# Allegro board BRD_05101_01_rev_b01_aa.brd (continued)
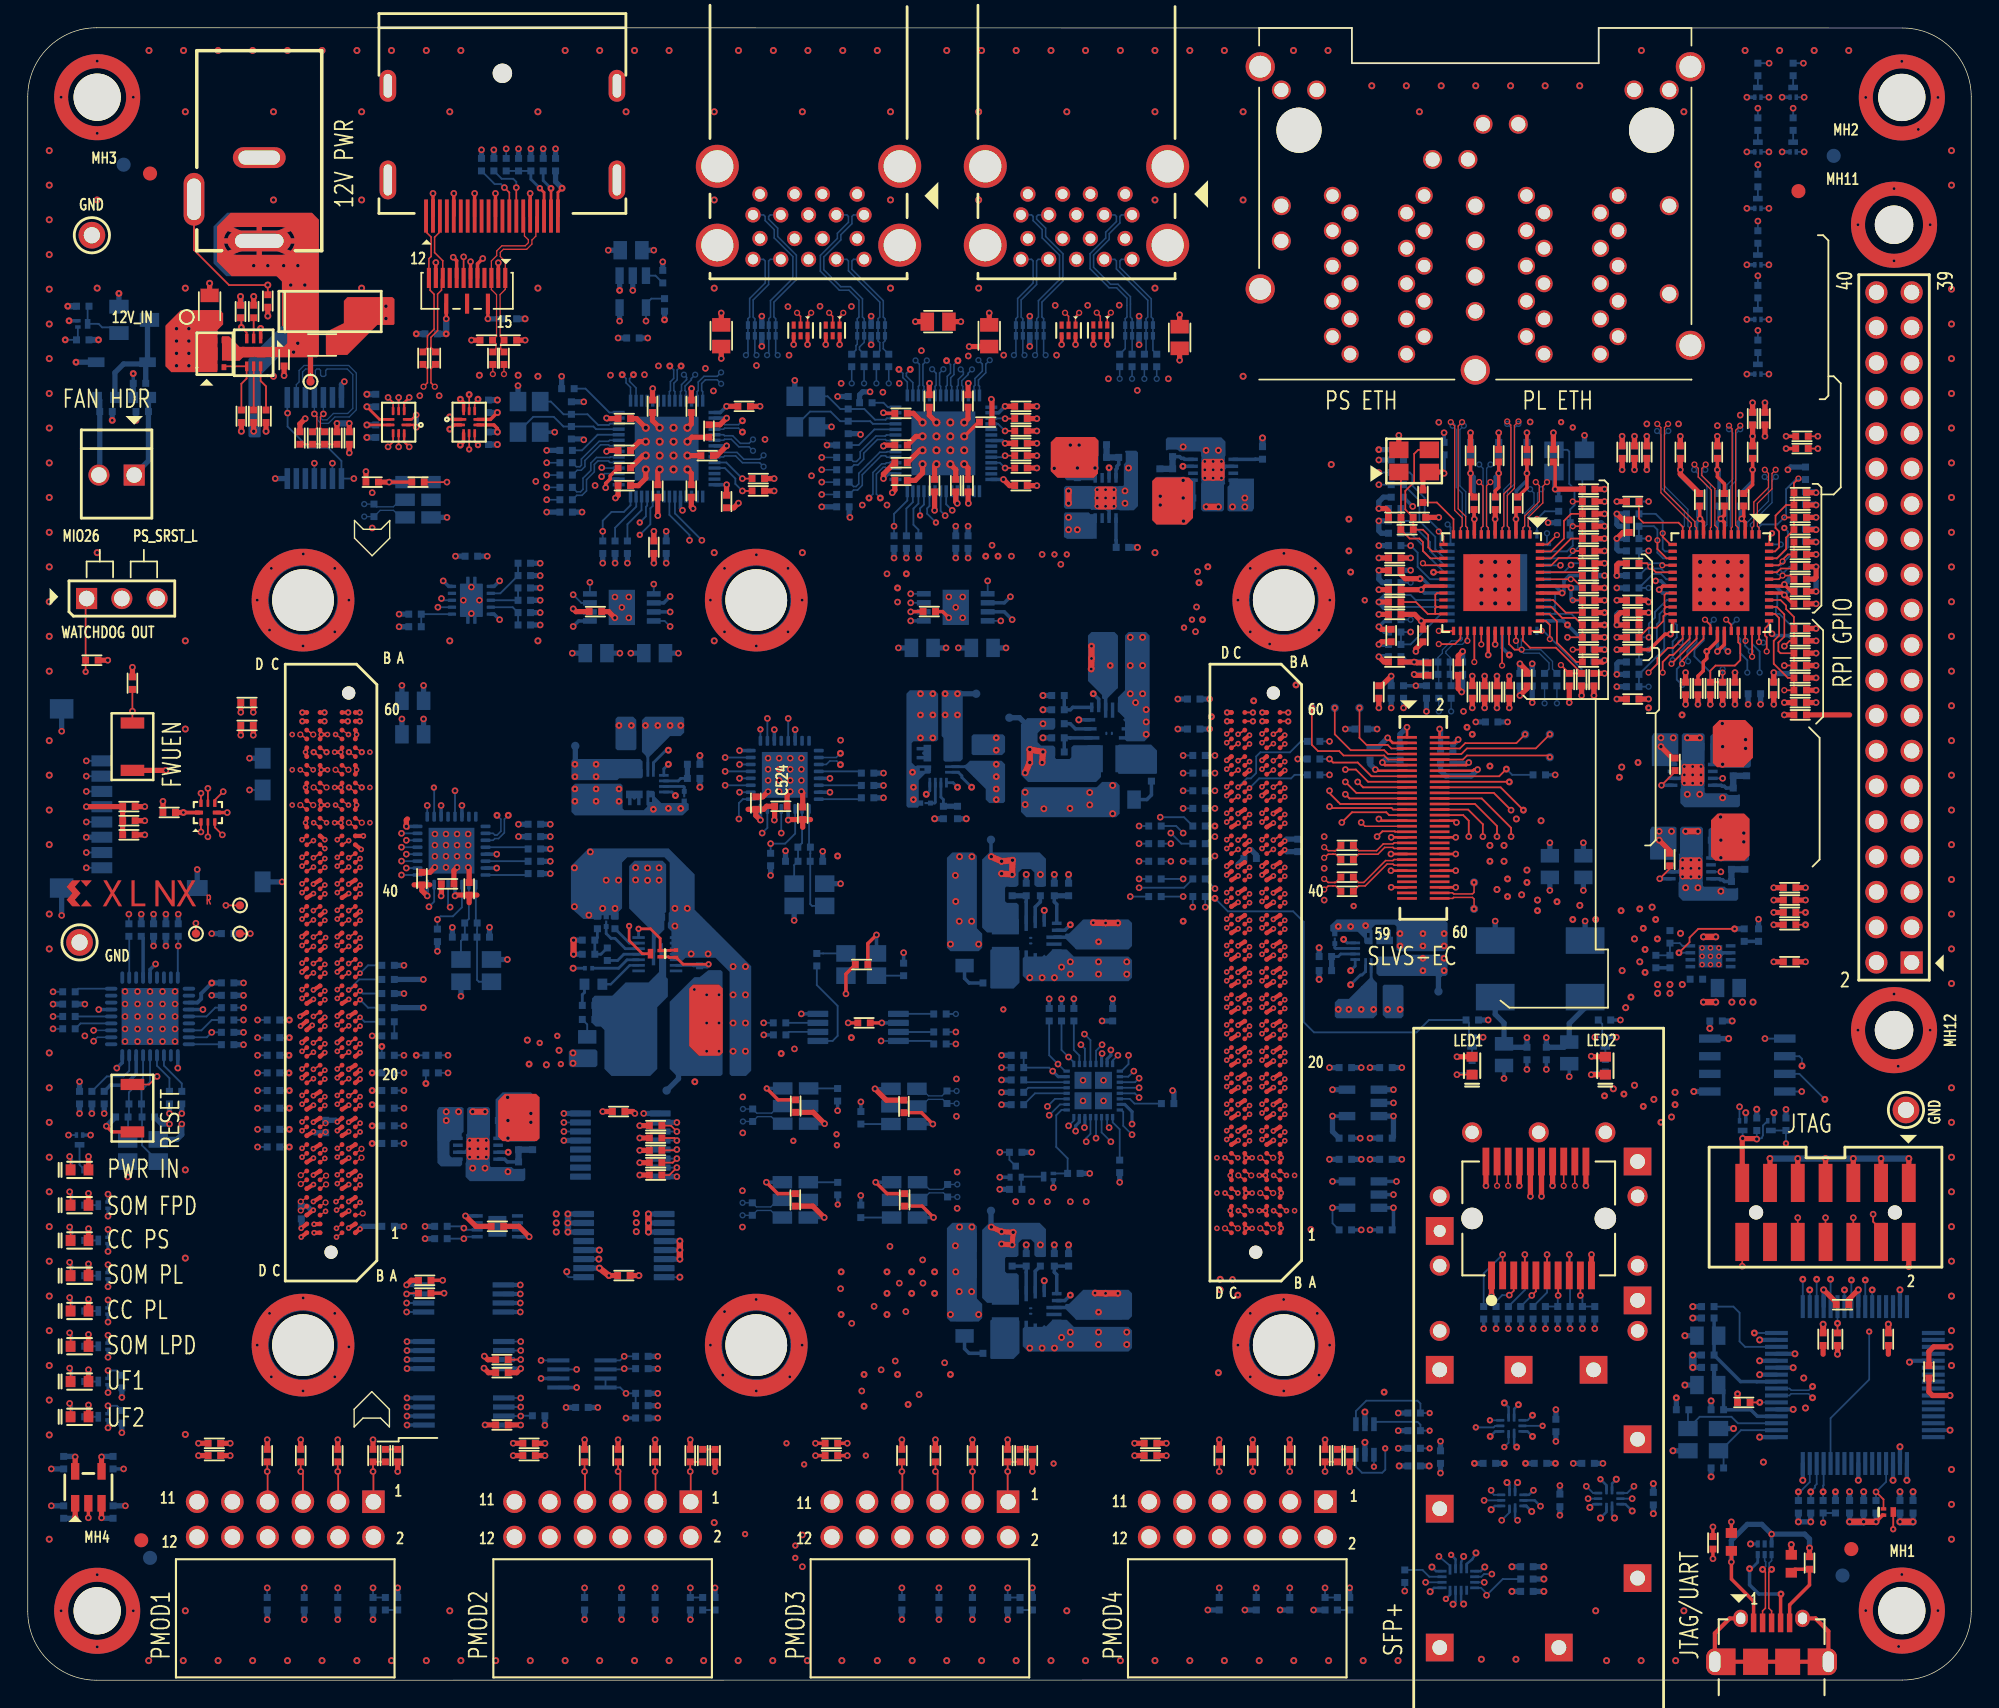
[diagram p0: board, top side]
## Routing (per net, layer and track width the routed paths; a pad name or vN(x,y) marks a point on that pad's centre or on a via; arc(x,y) is an arc through that point) (continued)
  BOTTOM w0.132: R281.2 v5(27.1,45) ; C378.1 v5(19.92,6.65)
PMOD1_IO8_HDA18: length 71.2
  L05_SIG w0.102: v5(16.56,47.54) 16.13,47.11 14.98,47.11 12.75,44.88 12.75,26.7 12.65,26.6 11.35,26.6 11.17,26.42 11.17,26.17 11.35,25.99 12.7,25.99 12.87,25.81 12.87,25.56 12.7,25.38 11.35,25.38 11.17,25.2 11.17,24.95 11.35,24.77 12.7,24.77 12.87,24.59 12.87,24.34 12.7,24.16 11.35,24.16 11.17,23.98 11.17,23.73 11.35,23.55 12.7,23.55 12.87,23.37 12.87,23.12 12.7,22.94 11.35,22.94 11.17,22.76 11.17,22.51 11.35,22.33 12.7,22.33 12.87,22.15 12.87,21.9 12.7,21.72 11.35,21.72 11.17,21.54 11.17,21.29 11.35,21.11 12.7,21.11 12.87,20.94 12.87,20.68 12.7,20.5 11.35,20.5 11.17,20.33 11.17,20.07 11.35,19.89 12.7,19.89 12.87,19.72 12.87,19.46 12.7,19.28 11.22,19.28 11.05,19.11 11.05,18.85 11.22,18.68 12.7,18.68 12.87,18.5 12.87,16.68 15.92,13.64 15.92,7.98 v5(17.25,6.65) 17.25,10.38 J2.8
  BOTTOM w0.132: R283.2 v5(16.56,47.54) ; C380.1 v5(17.25,6.65)
PMOD2_IO1_HDA02: length 73.4
  TOP w0.132: R296.2 C390.1 v5(47.72,15.03) 47.76,14.99 J18.1
  L12_SIG w0.102: v5(47.72,15.03) 48.94,13.81 48.94,6.78 44.75,2.59 36.37,2.59 26.08,12.87 26.08,15.16 23.8,17.45 23.8,25.45 15.92,33.32 15.92,39.04 v5(16.56,39.67)
  BOTTOM w0.132: R298.2 v5(16.56,39.67)
PMOD2_IO2_HDA03: length 78.4
  TOP w0.132: C392.1 v5(45.19,15.03) 45.22,15 J18.3
  L12_SIG w0.102: v5(45.19,15.03) 45.96,15.79 55.6,15.79 55.8,16 55.8,18.23 55.6,18.44 48.9,18.44 48.7,18.64 48.7,21.74 48.49,21.94 48.16,21.94 47.96,21.74 47.96,18.64 47.76,18.44 47.43,18.44 47.22,18.64 47.22,21.74 47.02,21.94 46.69,21.94 46.49,21.74 46.49,18.66 46.26,18.44 41.47,18.44 39.14,20.77 33.16,20.77 32.08,21.85 32.08,26.24 32.26,26.42 32.6,26.42 32.78,26.6 32.78,26.85 32.6,27.03 32.26,27.03 32.08,27.21 32.08,34.44 31.42,35.1 31.42,39.42 31.03,39.8 27.23,39.8 v5(27.1,39.92)
  BOTTOM w0.132: R300.2 v5(27.1,39.92)
PMOD2_IO3_HDA04: length 72.9
  TOP w0.132: C394.1 v5(42.52,15.03) 42.68,14.88 J18.5
  L12_SIG w0.102: v5(42.52,15.03) 41.82,15.03 41.71,15.13 41.71,16.33 41.82,16.43 54.96,16.43 55.16,16.63 55.16,17.62 54.96,17.83 41.19,17.83 40.68,18.34 38.63,18.34 38.07,17.78 34.73,17.78 33.54,18.97 33.54,19.23 33.81,19.5 33.81,19.76 33.64,19.93 33.38,19.93 33.11,19.66 32.85,19.66 31.29,21.22 31.29,31.29 30.78,31.8 30.78,38.96 30.45,39.29 26.72,39.29 26.34,39.67 26.34,41.7 v5(27.1,42.46)
  BOTTOM w0.132: R302.2 v5(27.1,42.46)
PMOD2_IO4_HDA05: length 67.3
  TOP w0.132: C398.1 v5(40.11,15.03) 40.11,14.93 40.14,14.91 J18.7
  L12_SIG w0.102: v5(30.27,43.73) 29.02,42.48 28.1,42.48 27.65,42.93 26.67,42.93 25.83,42.08 25.83,32.05 29.26,28.62 29.26,17.27 29.46,17.06 30.63,17.06 31.33,16.36 31.33,12.44 31.53,12.24 31.86,12.24 32.07,12.44 32.07,16.81 32.27,17.01 32.6,17.01 32.8,16.81 32.8,12.44 33.01,12.24 33.34,12.24 33.54,12.44 33.54,15.34 33.74,15.54 34.53,15.54 34.73,15.34 34.73,14.27 34.94,14.07 35.27,14.07 35.47,14.27 35.47,15.34 35.67,15.54 36,15.54 36.21,15.34 36.21,14.19 36.41,13.99 36.74,13.99 36.94,14.19 36.94,14.83 37.15,15.03 v5(40.11,15.03)
  BOTTOM w0.132: R304.2 v5(30.27,43.73)
PMOD2_IO5_HDA06: length 69.4
  L12_SIG w0.102: J18.2 47.76,6.68 v5(47.73,6.65) 46.33,5.25 44.75,5.25 44.5,5 44.5,3.42 44.29,3.22 38.35,3.22 38.17,3.4 38.17,3.73 37.99,3.9 37.74,3.9 37.56,3.73 37.56,3.4 37.38,3.22 36.75,3.22 27.07,12.91 27.07,17.73 26.85,17.95 24.51,17.95 24.3,18.16 24.3,18.5 24.51,18.7 26.46,18.7 26.7,18.95 26.7,19.28 26.54,19.44 24.63,19.44 24.43,19.64 24.43,25.7 16.56,33.58 v5(16.56,38.4)
  BOTTOM w0.132: v5(47.73,6.65) C391.1 R297.2 ; R299.2 v5(16.56,38.4)
PMOD2_IO6_HDA07: length 80.8
  L12_SIG w0.102: J18.4 45.22,6.68 v5(45.19,6.65) 43.62,5.08 36.03,5.08 27.78,13.34 27.78,21.34 25.19,23.92 25.19,25.89 24.68,26.41 24.68,26.7 26.77,28.79 26.77,29.08 26.54,29.31 26.25,29.31 24.16,27.22 23.87,27.22 23.64,27.45 23.64,27.74 25.73,29.83 25.73,30.12 25.5,30.35 25.21,30.35 23.12,28.26 22.83,28.26 22.6,28.49 22.6,28.78 24.69,30.87 24.69,31.16 24.45,31.39 24.17,31.39 22.08,29.3 21.79,29.3 17.57,33.51 17.57,39.42 16.05,40.94 16.05,43.23 v5(16.56,43.73)
  BOTTOM w0.132: R301.2 v5(16.56,43.73) ; C393.1 v5(45.19,6.65)
PMOD2_IO7_HDA08_CC: length 75.6
  L12_SIG w0.102: v5(16.56,41.19) 18.33,39.41 18.33,34.84 19.86,33.32 23.67,33.32 28.49,28.49 28.49,16.55 28.7,16.35 30.45,16.35 30.65,16.14 30.65,15.8 30.45,15.6 28.83,15.6 28.62,15.39 28.62,15.06 28.83,14.86 30.45,14.86 30.65,14.66 30.65,14.33 30.45,14.12 28.95,14.12 28.75,13.92 28.75,13.59 28.95,13.39 30.45,13.39 30.65,13.18 30.65,11.86 33.96,8.56 35.98,8.56 36.18,8.35 36.18,6.35 36.39,6.14 36.72,6.14 36.92,6.35 36.92,8.35 37.12,8.56 37.45,8.56 37.66,8.35 37.66,6.35 37.86,6.14 38.19,6.14 38.39,6.35 38.39,8.35 38.6,8.56 38.93,8.56 39.13,8.35 39.13,5.97 39.33,5.76 41.89,5.76 v5(42.78,6.65) 42.78,10.31 J18.6
  BOTTOM w0.132: C395.1 v5(42.78,6.65) ; R303.2 v5(16.56,41.19)
PMOD2_IO8_HDA09: length 78.6
  L12_SIG w0.102: v5(27.1,38.65) 29.94,38.65 30.15,38.45 30.15,38.06 29.94,37.86 26.67,37.86 26.46,37.66 26.46,37.33 26.67,37.12 29.94,37.12 30.15,36.92 30.15,36.59 29.94,36.39 26.67,36.39 26.46,36.18 26.46,35.85 26.67,35.65 29.94,35.65 30.15,35.45 30.15,35.12 29.94,34.91 26.67,34.91 26.46,34.71 26.46,34.38 26.67,34.18 29.92,34.18 30.13,33.97 30.13,33.63 29.92,33.42 26.79,33.42 26.51,33.14 26.51,32.25 27.48,31.29 30.15,31.29 30.53,30.91 30.53,19.92 33.83,16.61 37.76,16.61 38.94,17.8 40.33,17.8 40.81,17.32 40.81,14.65 41.45,14.02 41.45,6.75 41.35,6.65 v5(40.11,6.65) 40.11,10.38 J18.8
  BOTTOM w0.132: C399.1 v5(40.11,6.65) ; R305.2 v5(27.1,38.65)
PMOD3_IO1_HDB00_CC: length 93
  TOP w0.132: J19.1 70.59,12.98 v5(70.59,15.03) C402.1 R306.2
  L10_SIG w0.102: v5(70.59,15.03) 70.59,15.99 66.98,19.6 66.98,27.1 66.39,27.68 66.39,36.75 66.47,36.83 66.47,43.94 67.2,44.67 68.29,44.67 69.03,45.42 74.77,45.42 75.61,46.26 75.61,47.5 75.51,47.6 69.33,47.6 69.13,47.8 69.13,48.18 70.53,49.58 82.37,49.58 82.47,49.68 82.47,50.17 82.27,50.37 80.77,50.37 80.56,50.58 80.56,50.91 80.77,51.11 82.27,51.11 82.47,51.31 82.47,51.64 82.27,51.85 80.77,51.85 80.56,52.05 80.56,52.38 80.77,52.58 82.27,52.58 82.47,52.79 82.47,53.12 82.27,53.32 80.77,53.32 80.56,53.52 80.56,53.85 80.77,54.06 82.27,54.06 82.47,54.26 82.47,54.59 82.27,54.79 80.77,54.79 80.56,55 80.56,55.33 80.77,55.53 82.27,55.53 82.47,55.73 82.47,56.88 81.27,58.09 81.27,60.14 81.17,60.24 v5(80.06,60.24)
  BOTTOM w0.132: R308.2 v5(80.06,60.24)
PMOD3_IO2_HDB01: length 97.2
  TOP w0.132: C406.1 v5(68.05,15.03) 68.08,15 J19.3
  L10_SIG w0.102: v5(68.05,15.03) 68.05,16.24 65.58,18.72 65.58,27.1 65.81,27.33 65.81,35 65.45,35.35 65.45,36.79 65.87,37.21 65.87,41.24 65.57,41.54 65.57,41.85 65.87,42.15 65.87,42.46 65.57,42.76 65.57,43.07 65.87,43.36 65.87,44.39 66.7,45.22 67.84,45.22 69.01,46.39 74.83,46.39 74.98,46.53 74.98,46.91 74.85,47.04 67.1,47.04 66.98,47.16 66.98,47.67 70.4,51.1 71.16,51.1 71.36,51.3 71.36,52.27 71.57,52.48 71.9,52.48 72.1,52.27 72.1,51.3 72.3,51.1 72.63,51.1 72.84,51.3 72.84,52.55 73.04,52.75 73.37,52.75 73.57,52.55 73.57,51.3 73.78,51.1 74.09,51.1 74.98,50.21 75.61,50.21 75.81,50.41 75.81,53.95 76.01,54.15 76.34,54.15 76.55,53.95 76.55,50.41 76.75,50.21 77.5,50.21 77.71,50.41 77.71,53.69 77.91,53.89 78.24,53.89 78.44,53.69 78.44,50.63 78.65,50.43 79.42,50.43 79.8,50.81 79.8,54.53 78.41,55.93 78.41,57.07 79.17,57.83 79.17,58.09 v5(80.06,58.97)
  BOTTOM w0.132: R310.2 v5(80.06,58.97)
PMOD3_IO3_HDB02: length 96.9
  TOP w0.132: C408.1 v5(65.38,15.03) 65.54,14.88 J19.5
  L10_SIG w0.102: v5(65.38,15.03) 65.38,15.69 65.49,15.79 66.75,15.79 66.98,16.02 66.98,16.33 66.75,16.56 65.02,16.56 64.92,16.66 64.92,29.58 64.65,29.85 64.26,29.85 64.09,29.68 64.09,29.15 63.98,29.04 63.98,28.22 64.09,28.1 64.09,27.22 63.97,27.1 63.46,27.1 63.25,27.3 63.25,29.82 63.05,30.02 62.61,30.02 62.3,29.71 62.3,27.2 62.2,27.1 61.51,27.1 61.13,27.48 61.13,29.64 62.4,30.91 64.94,30.91 65.07,31.03 65.07,31.4 64.87,31.61 62.41,31.61 62.21,31.81 62.21,32.14 62.41,32.34 64.87,32.34 65.07,32.55 65.07,32.88 64.87,33.08 63.3,33.08 63.1,33.28 63.1,33.61 63.3,33.82 64.87,33.82 65.07,34.02 65.07,34.72 64.82,34.97 63.67,34.97 63.42,35.23 63.42,36.04 63.62,36.25 64.68,36.25 64.88,36.45 64.88,36.78 64.68,36.98 63.62,36.98 63.42,37.19 63.42,38.02 63.85,38.45 64.11,38.45 64.17,38.39 64.42,38.39 64.6,38.57 64.6,38.82 64.54,38.88 64.54,40.59 64.82,40.87 64.82,45.36 65,45.54 65.67,45.54 65.85,45.72 65.85,45.97 65.67,46.15 65,46.15 64.82,46.32 64.82,46.6 71.61,53.39 73.2,53.39 76.81,57 76.81,58.27 77.13,58.59 77.41,58.59 77.95,58.05 78.24,58.05 78.47,58.28 78.47,58.57 77.94,59.11 77.94,59.39 78.17,59.63 78.46,59.63 78.99,59.09 79.28,59.09 79.52,59.32 79.52,59.61 78.98,60.15 78.98,60.44 v5(80.06,61.51)
  BOTTOM w0.132: R312.2 v5(80.06,61.51)
PMOD3_IO4_HDB03: length 100.6
  TOP w0.132: C410.1 v5(62.97,15.03) 63,15 J19.7
  L10_SIG w0.102: v5(81.58,62.15) 79.8,62.15 76.25,58.59 76.25,57.45 72.9,54.1 71.35,54.1 64.18,46.93 64.18,42.98 63.67,42.47 63.67,39.29 62.4,38.02 62.4,36.85 62.73,36.52 62.73,36.24 62.4,35.91 62.4,33.7 61.64,32.94 61.64,31.42 60.5,30.27 60.5,26.07 60.7,25.86 64.05,25.86 64.25,25.66 64.25,25.33 64.05,25.13 60.7,25.13 60.5,24.92 60.5,24.59 60.7,24.39 64.05,24.39 64.25,24.19 64.25,21.13 64.15,21.03 63.52,21.03 63.42,21.13 63.42,22.09 63.24,22.27 63.14,22.27 62.96,22.45 62.96,22.7 63.14,22.88 63.24,22.88 63.42,23.06 63.42,23.41 63.18,23.65 60.7,23.65 60.5,23.45 60.5,23.03 60.88,22.65 60.88,18.21 61.13,17.95 61.43,17.95 61.63,18.16 61.63,21.56 61.84,21.76 62.17,21.76 62.37,21.56 62.37,18.16 62.57,17.95 63.17,17.95 63.29,18.08 63.29,19.1 63.42,19.22 64.05,19.22 64.18,19.1 64.18,14.37 64.08,14.27 62.15,14.27 61.9,14.52 61.9,14.91 62.02,15.03 v5(62.97,15.03)
  BOTTOM w0.132: v5(81.58,62.15) 83.29,62.15 R314.2
PMOD3_IO5_HDB04: length 100.7
  L10_SIG w0.102: J19.2 70.59,10.38 v5(70.59,6.65) 69.19,5.25 67.86,5.25 66.47,3.86 61.64,3.86 56.31,9.19 56.31,11.73 56.05,11.98 56.05,14.4 57.45,15.79 57.45,31.48 57.85,31.88 57.85,36.21 59.03,37.38 59.03,40.61 59.2,40.79 59.2,43.81 60.35,44.95 60.35,47.15 64.29,51.09 64.29,54.47 68.63,58.81 68.63,59.36 70.09,60.82 70.6,60.82 77.01,67.23 83.23,67.23 83.74,66.72 83.74,64.56 v5(83.23,64.05)
  BOTTOM w0.132: R307.2 C403.1 v5(70.59,6.65) ; R309.2 v5(83.23,64.05)
PMOD3_IO6_HDB05: length 97.9
  L10_SIG w0.102: J19.4 68.05,10.38 v5(68.05,6.65) 66.53,5.13 61.26,5.13 56.89,9.49 56.89,11.91 56.69,12.11 56.69,14.02 58.09,15.41 58.09,30.71 58.71,31.33 58.71,33.58 59.21,34.09 59.21,36.73 59.56,37.08 59.56,39.11 60.54,40.1 60.54,44.06 62.3,45.82 62.3,47.81 65.06,50.57 65.06,53.63 68.75,57.32 73.07,57.32 73.45,57.7 73.45,62.28 77.77,66.59 78.15,66.59 78.36,66.39 78.36,65.15 78.56,64.94 78.89,64.94 79.09,65.15 79.09,66.39 79.3,66.59 79.63,66.59 79.83,66.39 79.83,65.35 80.01,65.17 80.39,65.17 80.57,65.35 80.57,66.39 80.77,66.59 v5(83.23,66.59)
  BOTTOM w0.132: R311.2 v5(83.23,66.59) ; C407.1 v5(68.05,6.65)
PMOD3_IO7_HDB06: length 99
  L10_SIG w0.102: v5(83.23,58.97) 82.77,59.43 82.77,63.01 82.37,63.42 82.14,63.42 81.96,63.6 81.96,64 81.78,64.18 81.53,64.18 81.35,64 81.35,63.6 81.17,63.42 80.92,63.42 80.74,63.6 80.74,64 80.56,64.18 80.31,64.18 80.13,64 80.13,63.6 79.95,63.42 79.7,63.42 79.52,63.6 79.52,64 79.34,64.18 79.09,64.18 78.91,64 78.91,63.6 78.73,63.42 78.15,63.42 76.04,61.3 75.75,61.3 74.83,62.22 74.54,62.22 74.31,61.99 74.31,61.7 75.23,60.78 75.23,60.49 74.47,59.74 74.47,57.7 73.45,56.69 70.91,56.69 70.59,56.37 70.3,56.37 70.02,56.65 69.73,56.65 69.5,56.42 69.5,56.13 70.23,55.4 70.23,55.11 69.99,54.88 69.71,54.88 68.61,55.98 68.3,55.98 68.06,55.74 68.06,55.48 68.74,54.8 68.74,54.52 68.12,53.89 66.47,53.89 65.83,53.26 65.83,50.45 62.91,47.53 62.91,44.62 61.97,43.68 61.97,40.13 60.52,38.68 60.52,34.55 59.42,33.46 59.42,30.9 59.1,30.58 59.1,26.21 58.85,25.95 58.85,18.33 59.74,17.45 59.74,14.91 59.1,14.27 59.1,8.43 61.64,5.89 64.88,5.89 v5(65.64,6.65) 65.64,10.31 J19.6
  BOTTOM w0.132: v5(83.23,58.97) R313.2 ; C409.1 v5(65.64,6.65)
PMOD3_IO8_HDB07: length 98.2
  L10_SIG w0.102: J19.8 62.97,10.38 v5(62.97,6.65) 62.28,6.65 61.77,7.16 61.77,8.13 61.57,8.33 60.07,8.33 59.86,8.54 59.86,8.85 60.07,9.05 61.55,9.05 61.77,9.27 61.77,13.76 60.5,15.03 60.5,15.6 60.7,15.8 63.22,15.8 63.42,16 63.42,16.34 63.22,16.54 60.7,16.54 60.5,16.74 60.5,17.57 59.48,18.59 59.48,24.68 59.99,25.19 59.99,25.95 59.74,26.21 59.74,30.4 61.01,31.67 61.01,32.7 60.83,32.88 60.3,32.88 60.12,33.06 60.12,33.31 60.3,33.49 61.37,33.49 61.9,34.02 61.9,34.39 61.72,34.57 61.53,34.57 61.35,34.75 61.35,35 61.53,35.18 61.72,35.18 61.9,35.36 61.9,36.35 61.72,36.53 61.31,36.53 61.21,36.63 61.21,37.84 62.61,39.24 62.61,42.41 63.55,43.35 63.55,47.21 66.63,50.29 66.63,50.79 66.41,51.01 66.41,51.3 66.64,51.53 66.93,51.53 67.15,51.31 67.44,51.31 67.67,51.54 67.67,51.83 67.01,52.5 67.01,52.78 67.24,53.02 67.53,53.02 68.19,52.35 68.48,52.35 69.31,53.18 69.31,53.43 69.05,53.69 69.05,53.94 69.23,54.12 69.48,54.12 69.74,53.86 69.99,53.86 71.21,55.08 71.21,55.33 70.89,55.65 70.89,55.9 71.07,56.08 71.32,56.08 71.64,55.76 71.89,55.76 72.18,56.05 73.83,56.05 75.61,57.83 75.61,58.72 75.43,58.9 75.28,58.9 75.1,59.08 75.1,59.33 75.28,59.51 75.43,59.51 75.61,59.69 75.61,60.08 76.17,60.64 76.46,60.64 76.87,60.23 77.08,60.23 77.39,60.54 77.39,60.75 76.98,61.16 76.98,61.45 77.22,61.68 77.5,61.68 77.7,61.48 77.99,61.48 79.29,62.78 81.66,62.78 82.09,62.35 82.09,61.26 v5(82.34,61.01)
  BOTTOM w0.132: R315.2 83.1,60.24 v5(82.34,61.01) ; C411.1 v5(62.97,6.65)
PMOD4_IO1_HDB08_CC: length 75.4
  TOP w0.132: R316.2 C414.1 v5(93.45,15.03)
  L05_SIG w0.102: v5(83.23,62.78) 83.87,62.15 83.87,58.97 82.8,57.91 82.8,54.2 84.5,52.5 84.5,21.76 84.76,21.51 86.03,21.51 87.99,19.54 89.83,19.54 90.03,19.34 90.03,18.03 90.24,17.83 90.57,17.83 90.77,18.03 90.77,19.34 90.97,19.54 91.6,19.54 91.8,19.34 91.8,14.22 92.01,14.02 92.34,14.02 92.54,14.22 92.54,19.34 92.74,19.54 93.71,19.54 94.03,19.22 94.03,15.61 v5(93.45,15.03) 93.48,15 J20.1
  BOTTOM w0.132: R318.2 v5(83.23,62.78)
PMOD4_IO2_HDB09: length 74.1
  TOP w0.132: C418.1 v5(90.91,15.03)
  L05_SIG w0.102: v5(83.23,65.32) 82.47,64.56 82.47,62.15 81.83,61.51 81.83,58.72 82.24,58.31 82.24,53.62 83.69,52.17 83.69,20.16 84,19.85 84.29,19.85 85.34,20.9 85.62,20.9 85.86,20.66 85.86,20.37 84.24,18.76 84.24,18.47 84.47,18.24 84.76,18.24 86.38,19.85 86.67,19.85 86.9,19.62 86.9,19.33 85.85,18.29 85.85,18 86.18,17.67 86.47,17.67 87.51,18.72 87.8,18.72 88.03,18.49 88.03,18.2 86.73,16.9 86.73,16.36 87.3,15.79 88.68,15.79 88.88,16 88.88,16.86 89.08,17.06 89.41,17.06 89.62,16.86 89.62,15.25 89.84,15.03 v5(90.91,15.03) 90.94,15 J20.3
  BOTTOM w0.132: R320.2 v5(83.23,65.32)
PMOD4_IO3_HDB10: length 72.6
  TOP w0.132: C420.1 v5(88.24,15.03)
  L05_SIG w0.102: J20.5 88.4,14.88 v5(88.24,15.03) 86.79,15.03 82.93,18.89 82.93,51.91 81.73,53.11 81.73,57.83 81.15,58.42 81.15,64.26 82.85,65.96 83.61,65.96 83.99,65.58 83.99,64.44 84.98,63.44 85.87,63.44 86.1,63.22 91.31,63.22 93.29,65.2 v5(93.77,65.2)
  BOTTOM w0.132: R322.2 v5(93.77,65.2)
PMOD4_IO4_HDB11: length 70.6
  TOP w0.132: C422.1 v5(85.83,15.03)
  L05_SIG w0.102: v5(93.77,67.61) 92.12,67.61 91.16,66.65 86.22,66.65 85.64,67.23 82.6,67.23 80.56,65.2 80.56,58.21 81.2,57.58 81.2,51.99 82.01,51.18 82.01,18.85 v5(85.83,15.03) 85.86,15 J20.7
  BOTTOM w0.132: R324.2 v5(93.77,67.61)
PMOD4_IO5_HDB12: length 68.4
  L05_SIG w0.102: v5(83.92,55.67) 85.26,54.33 85.26,23.29 88.31,20.24 94.41,20.24 94.79,19.86 94.79,13.53 94.99,13.33 95.86,13.33 96.06,13.13 96.06,12.8 95.86,12.59 94.99,12.59 94.79,12.39 94.79,12.06 94.99,11.86 95.86,11.86 96.06,11.65 96.06,11.32 95.86,11.12 94.99,11.12 94.79,10.92 94.79,7.03 94.41,6.65 v5(93.45,6.65) 93.48,6.68 J20.2
  BOTTOM w0.132: R319.2 v5(83.92,55.67) ; v5(93.45,6.65) C415.1 R317.2
PMOD4_IO6_HDB13: length 69.8
  L05_SIG w0.102: v5(79.42,56.43) 79.42,53.34 78.53,52.45 78.53,50.08 79.8,48.81 79.8,44.75 79.04,43.99 79.04,38.91 79.8,38.15 79.8,23.8 78.53,22.53 78.53,8.3 81.19,5.63 89.89,5.63 v5(90.91,6.65) 90.94,6.68 J20.4
  BOTTOM w0.132: C419.1 v5(90.91,6.65) ; R321.2 v5(79.42,56.43)
PMOD4_IO7_HDB14: length 70.9
  L05_SIG w0.102: J20.6 88.4,6.75 v5(88.5,6.65) 88.02,6.17 82.57,6.17 82.3,6.44 82.3,6.73 82.71,7.14 82.71,7.43 82.47,7.66 82.19,7.66 81.77,7.25 81.49,7.25 81.25,7.49 81.25,7.77 81.66,8.18 81.66,8.47 81.43,8.71 81.14,8.71 80.73,8.29 80.2,8.29 79.17,9.33 79.17,22.02 80.56,23.41 80.56,50.08 80.06,50.59 v5(80.06,57.07)
  BOTTOM w0.132: R323.2 83.29,57.07 v5(80.06,57.07) ; C421.1 v5(88.5,6.65)
PMOD4_IO8_HDB15: length 67
  L05_SIG w0.102: v5(80.06,57.7) 80.64,57.12 80.64,51.02 81.33,50.34 81.33,21.85 81.12,21.65 80.01,21.65 79.8,21.44 79.8,21.11 80.01,20.91 81.12,20.91 81.33,20.71 81.33,20.38 81.12,20.17 80.01,20.17 79.8,19.97 79.8,19.64 80.01,19.44 81.12,19.44 81.33,19.23 81.33,18.9 81.12,18.7 80.01,18.7 79.8,18.5 79.8,18.17 80.01,17.96 81.12,17.96 81.33,17.76 81.33,14.78 82.04,14.07 82.04,9.05 84.44,6.65 v5(85.83,6.65) 85.86,6.68 J20.8
  BOTTOM w0.132: R325.2 v5(80.06,57.7) ; C423.1 v5(85.83,6.65)
PMOD_3V3: length 7.4
  TOP w0.254: C405.1 v5(56.75,17.06) ; C404.1 v5(56.75,16.18)
  TOP w0.381: C396.1 v5(34.97,16.18) ; C417.1 v5(79.73,17.06) ; C416.1 v5(79.73,16.18) ; C397.1 v5(34.97,17.06) ; C238.1 v5(12.3,17.06) ; U42.1 v5(3.41,11.69) ; C376.1 v5(12.3,16.18)
  BOTTOM w0.381: C387.1 3.38,11.66 v5(3.41,11.69)
PMOD_PWR_EN: length 1.9
  TOP w0.381: U42.4 v5(5.31,16.08)
  BOTTOM w0.381: v5(5.31,16.08) 5.35,16.12 R167.1
PMOD_PWR_FLT_B: length 1.9
  TOP w0.381: U42.3 v5(5.31,11.69)
  BOTTOM w0.381: v5(5.31,11.69) 5.35,11.66 R166.2
PS_1V2: length 35.1
  TOP w0.381: v5(45.02,93.02) 45,93 C286.1 ; v5(50.35,88.89) 49.64,88.18 C291.1 ; v5(64.96,93.4) 64.94,93.38 C520.1 ; v5(50.35,86.09) 50.34,86.09 C284.1 ; C515.1 v5(70.4,89.07) ; v5(61.64,88.87) 61.71,88.95 C513.1 ; v5(67.76,93.4) 67.74,93.38 C519.1 ; C296.1 42.52,85.32 v5(42.34,85.14) ; C285.1 v5(45.1,82.74) ; v5(69.41,92.25) 69.46,92.2 C518.1 ; C292.1 v5(50.34,91.74) ; v5(47.82,93.02) 47.8,93 C283.1 ; v5(70.28,86.47) 70.73,86.03 C517.1 ; C514.1 62.46,85.7 v5(62.28,85.52) ; C516.1 66.85,84.86 v5(66.96,84.75) ; C295.1 41.77,88.57 v5(41.7,88.49)
  BOTTOM w0.203: v2(64.72,63.8) 64.98,64.05 U5.12
  BOTTOM w0.254: v5(42.34,85.14) 42.57,85.37 U43.43 ; U43.21 v5(50.35,88.89) ; U43.15 49.89,91.29 v5(50.34,91.74) ; U43.49 v5(41.7,88.49) ; U84.5 v5(64.96,93.4) ; U84.28 v5(70.28,86.47) ; U43.28 v5(50.35,86.09) ; U84.43 62.51,85.75 v5(62.28,85.52) ; U84.12 v5(67.76,93.4) ; v5(70.4,89.07) 70.2,89.27 U84.21 ; U43.12 v5(47.82,93.02) ; U43.33 47.02,84.39 v5(47.16,84.25) ; U84.15 v5(69.41,92.25) ; U43.5 v5(45.02,93.02) ; U84.33 v5(66.96,84.75) ; U84.49 v5(61.64,88.87)
  BOTTOM w0.381: C522.1 59.17,83.8 v5(59.23,83.74) ; R21.1 v7(65.33,62.04) ; C290.1 v5(39.93,84.12) ; C285.1 v5(45.1,82.74) ; TP9.1 v2(66.98,71.04) ; C521.1 v5(66.85,83.11)
  vias: v2(66.09,71.04) v2(66.09,69.52) v2(66.98,69.52)
PS_1V2_FB: length 2.8
  BOTTOM w0.203: U5.10 65.78,63.6 65.96,63.42 R21.2
  BOTTOM w0.381: R26.1 R21.2
PS_1V8: length 124.9
  TOP w0.178: v5(27.48,88.82) 27.12,89.18 U30.10
  TOP w0.203: v7(24.43,90.4) U30.7
  TOP w0.254: U28.10 31.4,92.01 v2(31.16,92.25) ; U36.41 v5(110.54,78.29) ; v5(53.78,61.94) 53.8,61.96 ; v5(27.27,61.49) 27.38,61.38 ; U28.7 33.34,90.8 v7(33.83,91.29) ; v5(100.38,78.53) 100.38,78.54 100.63,78.79 U36.19 ; 29.8,56.5 v5(29.78,56.48) ; v5(54.78,61.94) 54.82,61.98 ; U36.30 v5(105.21,73.83)
  TOP w0.381: C276.1 28.39,56.86 v5(28.78,56.48) ; C276.1 28.95,57.28 ; C276.1 27.83,57.28 ; J3.2 v6(135.51,29.76) ; C156.1 103.04,73.76 v5(103.37,74.09) ; R45.1 v5(5.76,73.45) ; 51.89,62.72 C525.1 ; C525.1 52.45,62.27 v5(52.78,61.94) ; C525.1 53.01,62.72 53.23,62.94 C524.1 53.8,61.96 ; C277.1 32.36,56.54 ; C277.1 30.84,56.54 v5(30.78,56.48) ; C277.1 31.8,55.99 ; R104.1 v2(113.59,76.88) ; R109.1 113.46,73.33 v5(113.58,73.45) ; v5(27.27,61.49) 27.27,61.94 27.35,62.02 ; R102.1 R106.1 v5(113.58,80.44) ; R107.1 v5(113.59,82.22) ; R108.1 v5(113.59,83.99) ; C147.1 97.51,74.78 v5(97.33,74.6) ; R113.1 v5(97.33,77.64) ; 54.82,61.98 C523.1 ; C523.1 56.39,61.98 ; C523.1 55.83,61.42 ; R105.1 v2(113.58,75.99) ; R125.1 v5(113.59,78.66) ; C158.1 v5(104.06,72.31) ; C144.1 v5(106.73,72.31) ; C275.1 29.8,56.5 ; C159.1 v5(100.38,78.53) ; C157.1 v5(99.87,73.33) 100,73.33 100.05,73.27 C146.1 ; R110.1 v5(111.93,70.91) ; C145.1 v5(113.59,85.77)
  L10_SIG w0.381: v5(5.76,73.45) 8.05,75.74 8.05,81.71 14.4,88.06 18.59,88.06 20.11,89.58 23.41,89.58
  BOTTOM w0.178: U22.12 102.46,6.15 v6(102.16,5.85) ; U25.6 106.74,14.06 v7(106.56,14.24) ; U22.2 102.86,8.71 v6(102.53,9.03) ; U64.6 113.73,14.04 v6(113.29,14.47) ; v7(101.02,6.37) 101.3,6.65 U22.13
  BOTTOM w0.203: U3.12 46.4,63.96 v2(46.66,63.71)
  BOTTOM w0.254: U37.32 v5(28.78,56.48) ; R408.1 v5(99.77,84.53) ; U81.30 106.21,74.35 v2(106.73,73.83) ; U16.2 v5(36.98,21.73) ; U37.30 v5(29.78,56.48) ; v5(33.99,79.17) 33.59,78.77 U13.1 ; C501.1 111.04,79.55 110.66,79.17 110.66,78.42 v5(110.54,78.29) 110.04,78.79 U81.19 ; U37.28 v5(30.78,56.48) ; U13.10 30.32,78.77 v5(29.93,79.17) ; U83.30 v5(53.78,61.94) ; U83.11 v5(53.78,68.45) ; U83.32 v5(52.78,61.94) ; U37.14 v5(31.28,62.99) ; C499.1 v5(100,71.62) ; U83.8 v5(51.27,66.95) ; U83.14 v5(55.28,68.45) ; v2(39.42,65.96) 39.44,65.98 ; U37.8 v5(27.27,61.49) ; U81.41 100.62,78.29 v5(100.38,78.53) ; U83.28 v5(54.78,61.94) ; U37.11 v5(29.78,62.99)
  BOTTOM w0.381: v2(97.33,88.62) 98.87,88.62 99.11,88.38 R409.1 ; C91.1 v5(110.37,14.02) ; R105.1 v2(113.58,75.99) ; R405.1 97.84,78.15 v5(97.33,77.64) 97.71,77.26 R406.1 ; R210.1 v5(29.51,52.5) ; 39.44,65.98 TP15.1 ; R49.1 v5(36.91,76.88) ; C489.1 v5(100,71.62) ; R431.1 v5(53.51,57.96) ; C500.1 113.55,82.18 v5(113.59,82.22) ; R448.1 v5(70.15,42.34) ; v5(82.47,42.46) 82.56,42.37 R451.1 ; R447.1 v5(70.15,43.23) ; C114.1 v7(33.83,91.29) ; R407.1 v5(97.33,83.49) 97.33,82.78 97.51,82.6 R404.1 ; v5(113.58,73.45) 113.52,73.38 C490.1 ; R449.1 v5(70.15,41.45) ; C329.1 v5(41.07,19.64) ; R46.1 v5(26.75,76.77) ; C108.1 v7(24.43,90.4) ; C502.1 v5(108.38,73.2) ; R450.1 v5(78.66,35.86) ; C50.1 v5(30.81,80.95) ; R106.1 v5(113.58,80.44) ; R411.1 v5(99.87,73.33) 99.3,73.33 C487.1 ; C488.1 v5(99.62,79.93) ; R48.1 v5(36.91,79.55) ; R47.1 v5(36.91,77.77) ; R14.1 v7(48.42,64.31) ; R410.1 v5(97.33,74.6) ; C81.1 v2(107.9,15.62) ; v5(103.37,74.09) R412.1 ; C92.1 v7(106.92,6.4) ; R426.1 v5(97.33,81.71)
  vias: v2(39.42,65.07) v2(40.94,65.96) v2(40.94,65.07) v5(71.17,34.46) v5(72.31,34.46) v5(73.45,34.46) v5(75.1,34.46) v5(76.25,34.46)
PS_1V8_FB: length 2.8
  BOTTOM w0.203: U3.10 46.86,64.76 47.04,64.94 R14.2
  BOTTOM w0.381: R14.2 R16.1
PS_3V3: length 97.8
  TOP w0.203: U30.6 25.34,90.8 v7(24.43,91.71)
  TOP w0.254: U28.6 33.58,90.4 33.83,90.14 v7(33.83,89.89) ; U61.15 v5(33.15,98.04) ; C298.1 41.96,86.73 41.96,86.51 41.63,86.19 v5(41.63,85.88) ; R498.1 v5(26.03,86.28) ; v6(53.23,42.62) 54.05,41.8 C589.1 ; v5(61.64,91.27) 61.68,91.23 C530.1 ; U61.13 v5(30.15,98.04) ; v5(53.21,35.86) 54.03,35.04 C587.1
  TOP w0.381: v5(50.35,90.89) 49.87,90.41 C299.1 ; C74.1 v5(41.42,40.95) ; R61.1 v5(44.09,39.94) ; C300.1 47.8,84.5 v5(47.93,84.37) ; C578.1 v5(26.03,86.28) ; C529.1 v5(70.4,91.74) ; v5(35.51,22.44) 35.22,22.14 C53.1 ; R468.2 v5(53.77,86.53) ; R63.1 v5(44.09,37.27) ; R256.2 33.14,23.08 v5(32.89,23.34) ; v5(22.27,90.51) R170.1 ; C528.1 67.74,84.77 v5(67.76,84.75) ; R205.1 v5(35.83,96.5) ; v5(61.64,86.53) 61.64,86.86 C527.1 ; R483.2 v5(72.69,88.18) ; C303.1 41.74,90.85 v5(41.7,90.89) ; C110.1 v5(23.16,90.51) ; R62.1 v5(44.09,39.05) ; R481.2 v5(72.69,90.85) ; C526.1 v5(65.32,84.25) ; C297.1 v5(45.39,83.87) ; R469.2 v5(53.77,85.64) ; R484.2 v5(72.69,87.3) ; R58.1 v5(44.09,36.38) ; R57.1 v5(44.09,38.16) ; R482.2 v5(72.69,89.96)
  TOP w0.457: v7(73.07,66.09) v7(73.13,66.85) v7(72.18,67.03) v7(72.18,66.09) v7(71.85,65.35)
  L12_SIG w0.254: v6(58.35,34.26) 58.35,37.37 58.97,37.99 58.97,40.38 v5(58.34,41.02)
  BOTTOM w0.254: U87.6 v5(53.21,35.86) ; v5(47.93,84.37) 47.82,84.48 U43.31 ; R490.1 v6(58.35,34.26) ; U43.55 v5(41.7,90.89) ; R494.1 v5(58.34,41.02) ; v5(45.39,83.87) 45.42,83.9 U43.37 ; U38.6 v5(5.11,48.3) ; U84.55 v5(61.64,91.27) ; v5(70.4,91.74) 69.94,91.27 U84.16 ; U38.22 v5(12.62,48.3) ; U84.31 v5(67.76,84.75) ; v5(65.32,84.25) 65.36,84.28 U84.37 ; U38.14 8.81,51.18 v5(9.21,51.58) ; v5(41.63,85.88) 41.63,86.17 41.95,86.49 U43.44 ; U89.6 v6(53.23,42.62) ; U38.36 6.81,44.48 v5(6.41,44.08) ; U43.16 v5(50.35,90.89) ; v5(61.64,86.53) 61.98,86.87 U84.44
  BOTTOM w0.305: U15.1 v5(27.32,22.44) ; U15.8 v5(35.51,22.44)
  BOTTOM w0.381: C304.1 v5(45.99,82.74) ; C64.1 v5(45.38,18.88) ; C270.1 33.15,98.04 v5(33.15,98.04) ; v5(22.81,93.52) 22.6,93.31 U29.14 ; C265.1 v5(42.53,96.66) ; U18.16 v5(38.62,40.81) ; R463.1 v5(15.54,45.77) ; C559.1 v5(4.11,48.69) ; R54.1 v5(45.38,20.66) ; R130.1 v5(15.54,46.66) ; C176.1 v5(9.06,52.88) ; U33.5 v5(42.63,97.88) ; R196.1 v2(45.87,97.97) ; R464.1 v5(10.21,40.81) ; R429.1 v5(10.84,55.17) ; C560.1 v5(13.25,49.32) ; 71.93,68.83 71.45,69.31 TP11.1 ; C5.1 v7(73.13,68.88) ; C574.1 v5(9.95,52.88) ; R435.1 v5(62.4,80.82) ; R55.1 v5(45.38,22.44) ; R56.1 v5(45.38,23.33) ; R220.2 v5(42.31,80.45) ; R195.1 v5(45.74,102.14) ; C561.1 v5(3.73,43.1) ; U18.13 v5(38.62,38.86) ; R218.1 v5(41.42,80.45) ; C531.1 v5(67.74,83.11) ; R1.1 v7(73.13,66.85) ; U86.6 v5(26.03,86.28)
  BOTTOM w0.432: C109.1 v7(24.43,91.71) ; 33.19,89.89 v7(33.83,89.89)
  BOTTOM w0.457: R243.1 v7(88.95,89.46) ; v5(30.15,98.04) v2(30.14,96.96) C269.1 ; v5(22.27,90.51) v5(23.16,90.51) ; R244.1 v7(79.94,81.58)
  vias: v7(74.98,83.74) v7(74.98,82.85) v7(75.61,82.85) v7(86.79,84.5) v7(87.68,85.14) v7(87.68,84.5)
